# Altium PCB 28 pin project.PcbDoc (part 2 of 2)
Units mm, origin at the board's own origin, x right, y up, seen from the top; angles counter-clockwise.
Board outline 68.58 x 53.34 mm, 2 copper layers (L1, L2), stack 1.671 mm thick; 106 components, 71 nets, 323 pads, 100 vias.
Unrouted connection lines stored in the file: 1.
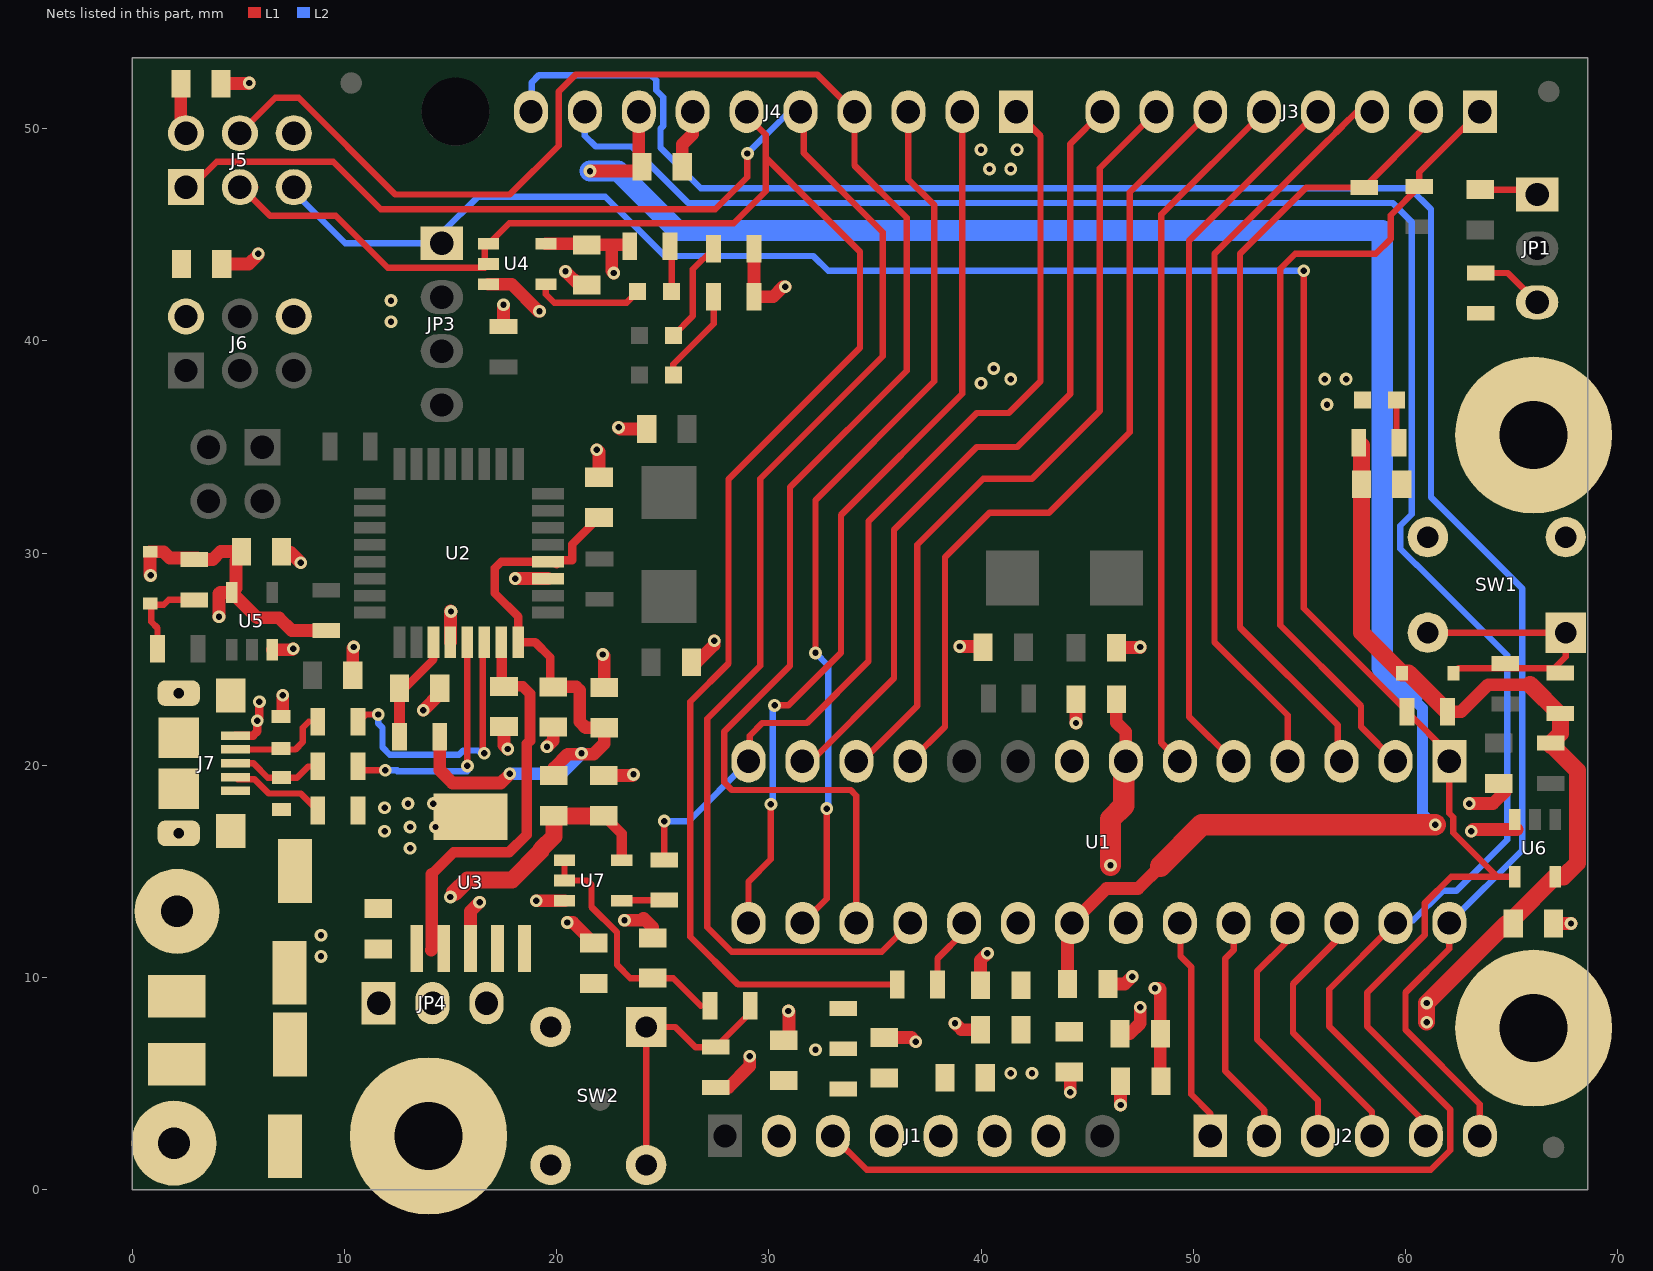
[diagram p2: the nets of this part, all layers, seen from the top]

## Via types
v1: diameter 0.6, hole 0.3, L1 to L2, 100 vias

## Nets (pads, with @x,y where several pads share a name; then routed paths per layer and width w, separated by ;. In a path a pad name is that pad's centre, name@x,y a point inside that pad or via, vN(x,y) a via of type N, cw(c..) or ccw(c..) an arc to the next point about the centre after c; other vN are vias at no path point) (continued)
328P_RESETn: J1.3 J5.5 JP3.1 R14.1 U1.1 U6.4 | length 133.1
  L1 w0.3: J1.3@33.02,2.54 34.61,0.95 61.196,0.95 62.11,1.864 62.11,3.79 58.2,7.7 58.2,9.3 60.915,12.015 60.915,13.515 62.15,14.75 64.331,14.75 ; v1(55.2,43.3) 55.2,27.4 R14.1@60.075,22.525 62.065,20.535 U1.1@62.065,20.193 62.065,17.737 62.25,17.552 62.25,16.831 64.331,14.75 ; U6.4@65.15,14.75 64.331,14.75
  L2 w0.3: J5.5@7.62,47.244 7.62,47.03 10.05,44.6 JP3.1@14.6,44.6 14.6,45.1 16.3,46.8 22.3,46.8 25.1,44 32.1,44 32.8,43.3 v1(55.2,43.3)
+3V3: C13.2 C16.2 J1.4 JP4.3 R28.2 U3.4 U3.5
+3V3_16U2_UCAP: C7.2 R26.1 U2.27 | length 5.1
  L1 w0.4: C7.2@12.6,23.391 14.2,24.991 U2.27@14.2,25.8
  L1 w0.5: R26.1@12.6,21.35 C7.2@12.6,23.391
+5V: C2.1 C6.2 C12.2 C14.2 J1.5 J8.1 JP4.1 L1.2 R27.1 U2.31 U3.1 U3.2 | length 22.6
  L1 w0.5: 14.1,11.3 14.1,14.85 14.125,14.875 15.15,15.9 17.761,15.9 18.6,16.739 18.6,21.014 18.75,21.164 18.75,23.375 18.4,23.725 17.425,23.725 U2.31@17.425,25.675
  L1 w0.6: 14.1,11.3 14.125,11.325 14.125,14.875 ; C6.2@17.425,23.725 C6.2@17.525,23.725
+5V/3V3: C8.2 C15.2 C17.2 C26.2 C28.2 C29.2 C30.2 C34.2 D5.1 D6.1 FB1.1 FB2.1 FB3.1 J1.2 J5.2 J6.2 JP4.2 R1.2 R2.2 R3.2 R4.2 R14.2 R15.2 R17.2 R18.2 R19.2 R20.2 R21.2 R27.2 R28.1 U4.5 U5.5 U6.5 U7.5 | length 81.9
  L1 w0.5: C29.2@22.225,17.625 23.075,16.775 U7.5@23.075,15.525
  L1 w0.6: v1(0.875,28.95) 0.85,28.975 D5.1@0.85,30.063 1.487,30.063 1.775,29.775 3.086,29.775 3.161,29.7 3.8,29.7 4.175,30.075 C30.2@5.15,30.075 ; J5.2@2.3,50.024 C17.2@2.3,52.125 ; v1(4.1,27) 4.1,28.1 4.15,28.15 U5.5@4.7,28.15 ; C30.2@5.2,30.025 5.275,30.025 4.9,29.65 4.9,28.35 U5.5@4.7,28.15 ; R4.2@9.15,26.35 7.525,26.35 6.925,26.95 5.9,26.95 U5.5@4.7,28.15 ; R1.2@17.5,40.675 v1@17.5,41.6 ; U4.5@19.5,44.575 C26.2@21.375,44.575 ; C26.2@21.425,44.525 22.6,44.525 ; v1(22.7,43.2) 22.6,43.3 22.6,44.525 ; R15.2@23.375,44.525 22.6,44.525 ; R21.2@27.5,4.825 28.1,4.825 29.1,5.825 v1(29.1,6.3) ; R2.2@29.3,44.35 R3.2@29.3,42.075 30.2,42.075 30.675,42.55 v1(30.775,42.55) ; FB3.1@44.15,5.55 44.2,5.5 v1(44.2,4.6) ; v1(46.575,4) FB2.1@46.575,5.125 ; R14.2@61.975,22.525 62.618,22.525 63.893,23.8 65.875,23.8
  L1 w0.8: v1@15.2,14 15.8,14.6 17.9,14.6 19.275,15.975 19.275,16.049 19.875,16.649 FB1.1@19.875,17.625 ; 20.625,17.625 C29.2@22.225,17.625 ; R17.2@57.925,35.075 C34.2@57.925,33.25 57.925,26.256 D6.1@59.831,24.35 60.15,24.35 R14.2@61.975,22.525 ; v1(61,7.9) v1(61,8.803) 64.747,12.55 65.05,12.55 C28.2@65.075,12.575 ; C28.2@65.075,12.55 C28.2@65.075,12.575 ; 65.875,23.8 67.3,22.375 67.3,21.5 R18.2@66.85,21.05 66.85,20.925 66.924,20.925 68.1,19.749 68.1,15.4 67.45,14.75 U6.5@67.05,14.75 65.075,12.775 C28.2@65.075,12.575
  other v1: 32.2,6.6 15,13.8 12.2,40.9 17.5,41.7 12.2,41.9
+5V/3V3_16U2: C3.2 C4.2 C5.2 FB1.2 R26.2 U2.4 U2.32 | length 30.6
  L1 w0.4: C4.2@19.7,23.85 19.7,25.1 19,25.8 U2.32@18.2,25.8 18.2,27 17.1,28.1 17.1,29.3 17.4,29.6 U2.4@19.6,29.6 19.875,29.6 20,29.475 20,29.675 20.75,29.675 20.75,30.425 C5.2@22,31.675
  L1 w0.6: R26.2@14.5,21.35 14.5,19.775 15.1,19.175 17.375,19.175 v1(17.8,19.6) ; C4.2@19.85,23.7 20.925,23.7 21.1,23.525 21.1,22.05 21.375,21.775 C3.2@22.25,21.775 22.25,21.025 21.75,20.525 20.525,20.525 19.875,19.875 FB1.2@19.875,19.525
  L2 w0.6: v1(17.8,19.6) 20.2,19.6 v1(21.175,20.575)
+5V/3V3_328P_AVCC: C22.2 C23.2 FB3.2 U1.20
+5V/3V3_328P_VCC: C19.2 C20.2 FB2.2 U1.7 | length 13.2
  L1 w0.6: C20.2@46.375,23.125 46.375,22.025 46.825,21.575 46.825,20.5 U1.7@46.825,20.193 ; v1(48.2,9.5) 48.4,9.5 48.45,9.45 C19.2@48.45,7.35 FB2.2@48.45,5.15
  L1 w1: v1(46.1,15.3) 46.1,17.475 46.725,18.1 46.725,20.4 U1.7@46.825,20.5
+5V_USB: C1.1 J7.1 L1.1 | length 2.5
  L1 w0.4: J7.1@4.875,21.4 5.7,21.4 5.9,21.6 v1(5.9,22.1) 6,22.2 v1(6,23)
  other v1: 8.9,11 8.9,12
+AREF: C21.2 C24.2 J4.8 U1.21 | length 94.6
  L1 w0.6: v1(21.575,48) 23.825,48 23.876,48.051 J4.8@23.876,50.8 ; C24.2@44.075,9.7 44.075,12.363 U1.21@44.285,12.573 45.912,14.2 47.4,14.2 48.45,15.25
  L1 w1: 48.45,15.25 50.4,17.2 v1(61.4,17.2)
  L2 w0.5: 60.3,23.2 60.8,22.7 60.8,17.725 61.325,17.2 v1(61.4,17.2)
  L2 w1: v1(21.575,48) 22.9,48 25.7,45.2 58.9,45.2 58.9,24.6 60.3,23.2
AD0: J2.1 U1.23 | length 10.6
  L1 w0.3: U1.23@49.365,12.573 49.4,12.538 49.4,11 49.9,10.5 49.9,4.5 50.8,3.6 J2.1@50.8,2.54
AD1: J2.2 U1.24 | length 11
  L1 w0.3: U1.24@51.905,12.573 51.905,11.305 51.5,10.9 51.5,5.6 53.34,3.76 J2.2@53.34,2.54
AD2: J2.3 U1.25 | length 11.8
  L1 w0.3: U1.25@54.445,12.573 54.445,11.745 53,10.3 53,7.1 55.88,4.22 J2.3@55.88,2.54
AD3: J2.4 U1.26 | length 12.5
  L1 w0.3: U1.26@56.985,12.573 56.985,11.985 54.7,9.7 54.7,7.4 58.42,3.68 J2.4@58.42,2.54
AD4/SDA: J2.5 J4.9 U1.27 | length 93.3
  L1 w0.3: U1.27@59.525,12.573 56.4,9.448 56.4,7.7 60.96,3.14 J2.5@60.96,2.54
  L2 w0.3: J4.9@21.336,50.8 21.336,49.664 21.842,49.158 23.542,49.158 26.2,46.5 59.4,46.5 60.3,45.6 60.3,31.838 59.75,31.288 59.75,30.212 60.512,29.45 60.537,29.45 64.8,25.187 64.8,16.5 62.4,14.1 61.766,14.1 60.366,12.7 U1.27@59.525,12.7
AD5/SCL: J2.6 J4.10 U1.28 | length 97.5
  L1 w0.3: U1.28@62.065,12.573 62.065,11.365 60,9.3 60,7.539 63.5,4.039 J2.6@63.5,2.54
  L2 w0.3: J4.10@18.796,50.8 18.825,50.829 18.825,52.175 19.175,52.525 24.45,52.525 24.7,52.275 24.7,51.802 25.026,51.476 25.026,50.124 24.9,49.998 24.9,49.1 26.8,47.2 60.2,47.2 61.2,46.2 61.2,32.633 65.5,28.333 65.5,16.008 U1.28@62.065,12.573
BUTTON_RESETn: D6.2 R20.1 R24.1 SW1.1 SW1.2 | length 12.9
  L1 w0.3: SW1.2@61.05,26.25 SW1.1@67.55,26.25 67.55,25.125 67,24.575 D6.2@62.494,24.575
CON_USB_N: J7.2 R6.1 Z1.2 | length 4.4
  L1 w0.3: J7.2@4.875,20.75 7.7,20.75 8.05,21.1 8.05,21.775 8.325,22.05
CON_USB_P: J7.3 R7.1 Z2.2 | length 4.4
  L1 w0.3: J7.3@4.875,20.1 5.725,20.1 6.399,19.425 Z2.2@7.05,19.425 7.775,19.425 8.3,19.95 R7.1@8.75,19.95
GND: C1.2 C2.2 C3.1 C4.1 C5.1 C6.1 C7.1 C8.1 C9.1 C10.1 C12.1 C13.1 C14.1 C15.1 C16.1 C17.1 C19.1 C20.1 C21.1 C22.1 C23.1 C24.1 C25.1 C26.1 C27.1 C28.1 C29.1 C30.1 C31.1 C32.2 C33.1 C34.1 D1.1 J1.6 J1.7 J4.7 J5.6 J6.6 J7.5 J7.6 J7.7 J7.8 J7.9 J7.10 J7.11 J9.1 MH1.1 MH2.1 MH3.1 R8.2 R12.1 SW1.3 SW1.4 SW2.3 SW2.4 U1.8 U1.22 U2.3 U2.28 U3.3 U3.6 U4.3 U5.3 U6.3 U7.3 Z1.1 Z2.1 | length 63.5
  L1 w0.6: C17.1@4.2,52.125 5.5,52.125 v1(5.525,52.15) ; C8.1@4.225,43.625 5.5,43.625 5.95,44.075 v1(5.95,44.1) ; U5.3@6.6,25.45 7.55,25.45 v1(7.6,25.5) ; C30.1@7.05,30.075 7.1,30.025 7.475,30.025 v1(7.95,29.55) ; Z1.1@7.1,22.375 v1(7.1,23.3) ; C31.1@10.4,24.25 10.4,25.525 v1(10.45,25.575) ; v1(13.725,22.6) 14.5,23.375 C7.1@14.5,23.625 ; U2.28@15,25.8 15,27.275 v1(15.025,27.25) ; U3.3@15.95,11.375 15.95,13.125 v1(16.375,13.55) ; U4.3@16.8,42.675 17.875,42.675 19.15,41.4 v1(19.2,41.4) ; C6.1@17.525,21.825 17.525,20.95 v1(17.7,20.775) ; v1(18.05,28.8) U2.3@19.6,28.8 ; v1(19.05,13.625) U7.3@20.375,13.625 ; v1(19.55,20.875) 19.85,21.175 C4.1@19.85,21.8 ; v1(20.425,43.275) 21.075,42.625 C26.1@21.425,42.625 ; v1(20.5,12.6) 20.775,12.6 C13.1@21.75,11.625 ; v1(21.9,34.875) 22,34.775 C5.1@22,33.575 ; v1(22.175,25.225) 22.25,25.15 C3.1@22.25,23.675 ; C29.1@22.225,19.525 23.575,19.525 v1(23.625,19.575) ; v1(22.925,35.925) 23,35.85 C9.1@24.25,35.85 ; v1(23.2,12.7) 24,12.7 24.1,12.8 24.525,12.375 C33.1@24.525,11.875 ; C21.1@25.925,48.2 25.925,49.25 26.416,49.741 J4.7@26.416,50.8 ; C10.1@26.35,24.85 26.6,24.85 27.425,25.675 v1(27.425,25.875) ; v1(30.925,8.425) 30.95,8.4 C15.1@30.95,7.075 ; C16.1@35.45,7.175 36.725,7.175 v1(36.925,6.975) ; v1(38.775,7.85) 39.075,7.55 C22.1@39.975,7.55 ; v1(39,25.6) C25.1@40.15,25.6 ; C23.1@39.975,9.65 39.975,10.825 v1(40.3,11.15) ; v1(44.475,22) C20.1@44.475,23.125 ; C24.1@45.975,9.7 46.775,9.7 v1(47.125,10.05) ; C27.1@46.375,25.55 47.5,25.55 v1(47.5,25.575) ; C19.1@46.55,7.35 47,7.35 47.5,7.85 v1(47.5,8.6) ; v1(63,18.2) 64.125,18.2 C32.2@64.725,18.8 ; v1(63.1,16.9) 63.175,16.975 U6.3@65.25,16.975 ; C28.1@66.975,12.55 v1(67.8,12.55)
  L1 w1.016: MH1.1@15.57,2.54 ccw(c13.97,2.54) MH1.1@15.57,2.54
  other v1: 41.4,5.5 42.4,5.5 13.1,16.1 11.9,16.9 13.1,17.1 14.3,17.1 11.9,18 13,18.2 14.2,18.2 56.3,37 40,38 41.4,38.2 56.2,38.2 57.2,38.2 40.6,38.7 40.4,48.1 41.4,48.1 40,49 41.7,49
IO0: J3.1 R10.2 U1.2 | length 39
  L1 w0.3: U1.2@59.525,20.193 57.9,21.818 57.9,22.8 54.1,26.6 54.1,43.4 54.8,44.1 58.6,44.1 59.3,44.8 59.3,45.925 R10.2@60.65,47.275 60.65,47.95 J3.1@63.5,50.8
IO1: J3.2 R11.2 U1.3 | length 37.8
  L1 w0.3: U1.3@56.985,20.193 56.8,20.378 56.8,21.9 52.2,26.5 52.2,44.1 55.325,47.225 R11.2@58.05,47.225 60.96,50.135 J3.2@60.96,50.8
IO2: J3.3 U1.4 | length 35.5
  L1 w0.3: U1.4@54.445,20.193 54.445,22.355 51,25.8 51,44.1 56.35,49.45 56.356,49.45 57.03,50.124 57.03,50.13 57.7,50.8 J3.3@58.42,50.8
IO3: J3.4 U1.5 | length 34
  L1 w0.3: U1.5@51.905,20.193 49.8,22.298 49.8,44.72 J3.4@55.88,50.8
IO4: J3.5 U1.6 | length 33
  L1 w0.3: U1.6@49.365,20.193 48.5,21.058 48.5,45.96 J3.5@53.34,50.8
IO5: J3.6 U1.11 | length 38.1
  L1 w0.3: U1.11@36.665,20.193 38.3,21.828 38.3,29.8 40.4,31.9 43.2,31.9 47,35.7 47,47 J3.6@50.8,50.8
IO6: J3.7 U1.12 | length 38
  L1 w0.3: U1.12@34.125,20.193 34.393,20.193 37,22.8 37,30.4 40.1,33.5 42.4,33.5 45.6,36.7 45.6,48.14 J3.7@48.26,50.8
IO7: J3.8 U1.13 | length 37.8
  L1 w0.3: U1.13@31.585,20.193 31.993,20.193 35.9,24.1 35.9,31.1 39.8,35 41.7,35 44.2,37.5 44.2,49.28 J3.8@45.72,50.8
IO8: J4.1 R22.2 U1.14 | length 45.8
  L1 w0.3: R22.2@25.075,15.55 v1(25.075,17.375) ; U1.14@29.045,20.193 29.1,20.248 29.1,21.4 29.7,22 31.8,22 34.7,24.9 34.7,31.5 39.8,36.6 41.3,36.6 42.8,38.1 42.8,49.656 J4.1@41.656,50.8
  L2 w0.3: v1(25.075,17.375) 26.227,17.375 U1.14@29.045,20.193
IO9: J4.2 U1.15 | length 42.8
  L1 w0.3: U1.15@29.045,12.573 29.045,14.52 30.1,15.575 v1(30.1,18.175) ; v1(30.275,22.825) 30.925,22.825 33.4,25.3 33.4,31.8 39.116,37.516 J4.2@39.116,50.8
  L2 w0.3: v1(30.1,18.175) 30.195,18.27 30.195,22.745 v1(30.275,22.825)
MISO: J4.5 J5.1 U1.18 | length 87.1
  L1 w0.3: J5.1@2.54,47.244 2.794,47.244 3.994,48.444 9.481,48.444 11.725,46.2 27.485,46.2 28.993,47.707 v1(28.993,48.828) ; J4.5@31.496,50.8 31.65,50.8 31.65,48.85 35.375,45.125 35.375,39.275 29.6,33.5 29.6,24.7 27.1,22.2 27.1,12.375 28.252,11.223 35.315,11.223 U1.18@36.665,12.573
  L2 w0.3: v1(28.993,48.828) 30.964,50.8 J4.5@31.496,50.8
MOSI: J4.4 J5.4 U1.17 | length 84.8
  L1 w0.3: J5.4@5.08,49.784 6.746,51.45 7.85,51.45 12.4,46.9 17.8,46.9 20.1,49.2 20.1,51.75 20.9,52.55 32.286,52.55 J4.4@34.036,50.8 34.036,48.264 36.5,45.8 36.5,38.6 31,33.1 31,24.7 27.895,21.595 27.895,19.205 28.257,18.843 33.857,18.843 34.125,18.575 U1.17@34.125,12.573
NetC11_2: C11.2 JP1.1 | length 2.4
  L1 w0.3: C11.2@63.525,47.125 JP1.1@65.975,47.125
NetD1_2: D1.2 R17.1 | length 1.9
  L1 w0.3: R17.1@59.575,35.325 D1.2@59.575,37.225
NetD2_1: D2.1 U4.4 | length 5.2
  L1 w0.3: U4.4@19.5,42.675 19.5,42.2 19.9,41.8 23.3,41.8 D2.1@23.825,42.325
NetD2_2: D2.2 R15.1 | length 2
  L1 w0.3: D2.2@25.425,42.325 R15.1@25.425,44.375
NetD3_2: D3.2 R2.1 | length 4.9
  L1 w0.3: D3.2@25.5,40.25 26.425,41.175 26.425,43.375 R2.1@27.4,44.35
NetD4_2: D4.2 R3.1 | length 4.5
  L1 w0.3: D4.2@25.5,38.4 25.5,38.9 27.4,40.8 R3.1@27.4,42.075
NetD5_2: D5.2 R19.1 R23.1 | length 4.3
  L1 w0.3: R23.1@1.2,25.5 1.2,26.475 0.9,26.775 0.9,27.575 1.5,27.575 1.725,27.8 R19.1@2.925,27.8
NetJ7_4: J7.4 R8.1 | length 4.5
  L1 w0.3: J7.4@4.875,19.45 4.975,19.35 5.767,19.35 6.442,18.675 7.95,18.675 R8.1@8.75,17.875
NetJP1_3: JP1.3 R12.2 | length 3.2
  L1 w0.3: R12.2@63.55,43.2 64.82,43.2 JP1.3@66.2,41.82
NetR22_1: R22.1 U7.4 | length 2
  L1 w0.3: U7.4@23.1,13.65 R22.1@25.075,13.65
SCK: J4.6 J5.3 R13.2 U4.1 U4.2 | length 85.5
  L1 w0.3: J5.3@5.08,47.244 J5.3@5.156,47.244 ; J5.3@5.8,47.244 J5.3@5.156,47.244 ; J4.6@28.956,50.6 29.85,49.706 29.85,48.644 ; R13.2@36.05,9.675 28.55,9.675 26.3,11.925 26.3,23 28.1,24.8 28.1,33.481 34.3,39.681 34.3,44.194 29.85,48.644 ; J5.3@5.156,47.244 6.5,45.9 9.6,45.9 12.05,43.45 16.625,43.45 16.625,44.4 U4.1@16.8,44.575 17.775,45.55 28.35,45.55 29.85,47.05 29.85,48.644
SCK_R: R13.1 U1.19 | length 3.4
  L1 w0.3: R13.1@37.95,9.675 37.95,10.9 39.205,12.155 U1.19@39.205,12.573
SS: J4.3 U1.16 | length 41.8
  L1 w0.3: U1.16@31.585,12.573 32.735,13.723 v1(32.735,17.965) ; v1(32.2,25.3) 32.2,32.5 37.8,38.1 37.8,46.4 36.576,47.624 J4.3@36.576,50.8
  L2 w0.3: v1(32.2,25.3) 32.8,24.7 32.8,18.03 v1(32.735,17.965)
USB_N: R6.2 U2.30 | length 13.1
  L1 w0.3: R6.2@10.65,22.05 11,22.4 v1(11.6,22.4) ; v1(16.6,20.575) 16.525,20.65 16.525,25.725 U2.30@16.6,25.8
  L2 w0.3: v1(11.6,22.4) 11.6,21.975 11.8,21.775 11.8,20.85 12.15,20.5 15.406,20.5 15.606,20.7 16.325,20.7 v1@16.525,20.5
USB_P: R7.2 U2.29 | length 11
  L1 w0.3: R7.2@10.65,19.95 10.825,19.775 v1(11.925,19.775) ; v1(15.8,19.975) U2.29@15.8,25.8
  L2 w0.3: v1(11.925,19.775) 12.5,19.775 ; 12.5,19.725 v1@15.8,19.725
USER_BUTTON: R21.1 R25.1 SW2.1 SW2.2 | length 12.5
  L1 w0.3: SW2.2@24.225,1.175 SW2.1@24.225,7.675 25.6,7.675 26.55,6.725 R21.1@27.5,6.725 R25.1@29.125,8.35
USER_BUTTON_BUF: C33.2 R25.2 U7.1 U7.2 | length 11.3
  L1 w0.3: U7.1@20.375,15.525 U7.2@20.375,14.575 21.45,14.575 21.65,14.375 21.65,13.331 22.85,12.131 22.85,10.6 23.475,9.975 C33.2@24.525,9.975 25.5,9.975 26.8,8.675
pads on no net: FID1.1 FID2.1 FID3.1 FID4.1 J1.1 J1.8 MH4.1 U2.5 U2.6 U2.7 U2.12 U2.14 U2.22 U2.23 U2.25 U2.26

## Polygon pours and split planes (outlines as drawn)
+3V3 on L2 "+3V3_L02_P007" (solid, remove dead copper, pour order 7): 15.6,7.6 17.9,7.6 21.6,3.9 34.5,3.9 34.5,1.4 36.6,1.4 36.6,4.6 35.9,5.3 25.706,5.3 20.4,10.3 18.4,10.3 16.1,10.3 15.6,9.8
+5V on L2 "+5V_L02_P006" (solid, remove dead copper, pour order 6): 0.3,0.3 0.3,4.4 4.856,4.4 10.856,9.8 12.4,9.8 12.4,7.3 13,7.3 17.7,7.3 21.4,3.6 26,3.6 26,1.2 36.9,1.2 36.9,3.8 39.3,3.8 39.3,0.3
GND on L2 "GND_L02_P013" (solid, remove dead copper, pour order 13): 0.3,52 4.2,52 5.4,50.8 5.4,23.8 6.3,23.8 6.8,23.3 6.8,21.9 8,20.7 8,17.9 10,15.9 10,12.2 12.6,15.1 15.2,15.1 15.8,14.5 15.8,12.4 16,12.2 26.5,12.2 30.6,8.1 35.6,8.1 35.6,8 38.6,5 42.5,5 44.5,7 57.4,7 57.5,7.1 57.8,7.1 60.5,9.8 62.3,9.8 62.3,0.3 68.3,0.3 68.3,13.6 64.7,13.6 62.3,11.2 59.1,11.2 58.3,12 58.3,13.9 61.1,13.9 64,16.8 64,21.9 57.8,21.9 57.8,39 23.6,39 20.9,41.7 20.9,43.7 20.3,43.7 18.5,41.9 18.5,38.3 11.5,38.3 11.1,38.7 11.1,53 0.3,53
GND on L2 "GND_L02_P012" (solid, remove dead copper, pour order 12): 68.2,53 68.2,47.7 27.3,47.7 25.5,49.5 25.5,53
+5V/3V3_328P_VCC on L2 "+5V/3V3_328P_VCC_L02_P004" (solid, remove dead copper, pour order 4): 45.8,15.7 45.8,14.9 47.4,14.9 47.9,14.4 47.8,14.3 47.8,9.2 50.9,9.2 50.9,15.3 50.5,15.7
+5V/3V3 on L2 "+5V/3V3_L02_P010" (solid, remove dead copper, pour order 10): 0.3,4.7 4.7,4.7 10.6,10.1 12.7,10.1 12.7,7.6 15.3,7.6 15.3,10 15.9,10.6 20.7,10.6 22.4,8.9 25.5,8.9 25.5,6.1 26,5.6 36.1,5.6 36.9,4.8 36.9,4.1 39.7,4.1 39.7,0.3 62,0.3 62,9.5 60.6,9.5 57.8,6.7 44.8,6.7 42.8,4.7 38.5,4.7 35.4,7.8 30.5,7.8 26.3,12 15.9,12 15.6,12.3 15.6,14.3 15.2,14.7 12.6,14.6 8.8,10.3 8.3,10.3 8.3,11.5 8,11.8 8,14.6 6.2,16.4 6.2,19.6 5.1,20.7 5.1,50.7 4.1,51.7 0.3,51.7
+5V/3V3 on L2 "+5V/3V3_L02_P011" (solid, remove dead copper, pour order 11): 15.9,45.6 15.9,43.4 11.8,43.4 11.4,43 11.4,38.7 11.6,38.5 18.2,38.5 18.2,42 20.1,43.9 21.2,43.9 21.2,41.8 31.7,41.8 31.7,43.4 24.7,43.4 23.35,44.75 22,46.1 16.4,46.1
+5V_USB on L2 "+5V_USB_L02_P008" (solid, remove dead copper, pour order 8): 5.4,23.6 5.4,20.8 6.5,19.7 6.5,16.5 8.3,14.7 8.3,12 8.3,10.6 9.4,10.6 9.4,16.1 7.7,17.8 7.7,20.6 6.5,21.8 6.5,23.6
GND on L1 "GND_L01_P056" (solid, remove dead copper, pour order 56): 0.3,10.5 4.8,10.5 6.4,12.1 7.9,12.1 8.5,12.7 9.5,12.7 9.5,10.2 8.6,9.3 8.6,8.3 6.6,8.3 6.6,5.4 8.2,5.4 9.7,3.9 9.7,0.3 21.1,0.3 21.1,2.3 19.9,3.5 19.9,5.5 21.1,6.7 21.1,8.7 18.7,8.7 18.7,7.4 10.5,7.4 10.5,12.2 11.7,12.2 13.2,13.7 13.2,15.5 14.2,16.5 17.7,16.5 17.7,18.7 10.4,18.7 10.2,18.5 10.2,17.1 9.9,16.8 7.8,16.8 7.8,18 7.6,18.2 6,18.2 5.5,18.7 5.5,19 3.9,19 3.6,19.3 3.6,22.2 3.9,22.5 5.3,22.5 5.3,24.1 0.3,24.1
GND on L1 "GND_L01_P054" (solid, remove dead copper, pour order 54): 39.6,37.7 41.5,37.7 42.3,38.5 42.3,49.4 39.6,49.4
GND on L1 "GND_L01_P052" (solid, remove dead copper, pour order 52): 62.9,41.8 62.9,40.8 59.5,40.8 57.5,38.8 55.7,38.8 55.7,36.4 58.6,36.4 58.8,36.6 58.8,37.8 58.9,37.9 60.4,37.9 60.4,34.1 59.3,34.1 59.2,34 59.2,29.5 68.3,29.5 68.3,40.1 67.6,40.8 64.3,40.8 64.3,41.8
+5V/3V3_328P_AVCC on L1 "+5V/3V3_328P_AVCC_L01_P050" (solid, remove dead copper, pour order 50): 40.7,13.55 40.7,11.7 41.4,11 41.4,6.9 42.3,6.9 42.3,7 44.8,7 44.8,7.9 43.5,7.9 42.9,8.5 42.9,13.7 40.7,13.7
GND on L1 "GND_L01_P048" (solid, remove dead copper, pour order 48): 39.7,5.9 39.7,1.3 44,1.3 44.1,1.4 44.1,3.7 42.8,5 42.8,5.9
+5V on L1 "+5V_L01_P046" (solid, remove dead copper, pour order 46): 32.8,8.9 35.2,8.9 35.4,8.7 38,8.7 38,7.8 38.9,6.9 38.9,1.3 37.2,1.3 37.2,3.7 37.4,3.9 37.4,6.4 37.6,6.6 37.6,7.1 36.7,8 34.7,8 34.5,8.2 32.8,8.2
+3V3 on L1 "+3V3_L01_P044" (solid, remove dead copper, pour order 44): 32.8,5.2 34.8,5.2 34.8,5.8 36.1,5.8 36.5,5.4 36.5,1.4 35.1,1.4 34.7,1.8 34.7,3.4 33.8,4.3 32.8,4.3
+5V/3V3 on L1 "+5V/3V3_L01_P042" (solid, remove dead copper, pour order 42): 29.5,1.3 31.5,1.3 31.5,3.9 32.1,4.5 32.5,4.5 32.5,5.9 32.6,6 34.2,6 34.4,6.2 34.4,7.2 34,7.6 31.7,7.6 31.7,6 31.4,5.7 30,5.7 29.5,5.2
+5V/3V3 on L1 "+5V/3V3_L01_P040" (solid, remove dead copper, pour order 40): 1.4,40.2 3.6,40.2 3.6,42.2 3.7,42.3 8.6,42.3 8.9,42 8.9,40.6 9.1,40.4 12.9,40.4 12.9,41.8 9.3,45.4 1.6,45.4 1.4,45.2
+5V on L1 "+5V_L01_P036" (solid, remove dead copper, pour order 36): 10.8,7.8 12.4,7.8 12.4,9.6 13.1,10.3 15,10.3 15,12.5 12.7,12.5 12,11.8 10.8,11.8
+3V3 on L1 "+3V3_L01_P034" (solid, remove dead copper, pour order 34): 15.7,7.7 18.1,7.7 18.1,9.1 22.4,9.1 22.4,10.2 19.5,10.2 19.5,12.5 16.9,12.5 16.9,10 15.7,10
+5V_USB on L1 "+5V_USB_L01_P032" (solid, remove dead copper, pour order 32): 0.3,8.1 5.8,8.1 6.4,8.7 8.2,8.7 8.2,9.4 8.3,9.4 9.3,10.4 9.3,12.4 8.7,12.4 8,11.7 6.6,11.7 5.1,10.2 0.3,10.2
+5V on L1 "+5V_L01_P028" (solid, remove dead copper, pour order 28): 0.3,0.3 8,0.3 8,3.6 4,3.6 4,6.8 0.3,6.8

## Other copper
L2:
  pour cut-out: 7.3,34.125 7.26,32.15 7.175,32.15 7.05,32.275 7.05,32.95 6.625,33.375 5.35,33.375 5.2,33.525 5.225,33.55 5.225,33.95 7,33.95 7.09,34.04 7.2,34.085
  pour cut-out: 28.925,52.1 31.3,52.1 30.6,51.4 30.6,50.9 30.25,50.55 30.05,50.55 29.85,50.75 29.85,51.275 29.016,52.11 28.956,52.109

## Silkscreen, mask and mechanical layers (free items; w line width, h text height)
Top Overlay:
  text "ICSP" at 6.025,51.525 h1
  text "ICSP1" at 6,42.8 h1
  text "T" at 26.6,39.7 h1
  text "A B A MISHU" at 32.6,39.2 h1.8
  text "R" at 26.6,37.9 h1
  text "abamishu46@gmail.com" at 32.2,36.6 h1
  text "3" at 1.1,34.6 h1
  text "https://www.fiverr.com/albaratalimishu?up_rollout=true" at 29.1,34.5 h0.5
  text "RESET" at 62.225,30.2 h0.89
  text "11" at 37,22 h1 r90
  text "3" at 57.3,22 h1 r90
  text "16" at 32.1,9.2 h1 r90
  text "25" at 54.9,9.1 h1 r90
  text "USER" at 18.675,3.825 h0.89 r90
Bottom Overlay:
  text "GND" at 26.9,49.3 h1 r90
  text "13" at 29.5,49.3 h1 r90
  text "AD4/SDA" at 21.8,49.2 h1 r90
  text "+AREF" at 24.4,49.2 h1 r90
  text "8" at 42.2,49.2 h1 r90
  text "4" at 53.8,49.2 h1 r90
  text "3" at 56.2,49.2 h1 r90
  text "2" at 58.8,49.2 h1 r90
  text "1" at 61.4,49.2 h1 r90
  text "0" at 63.9,49.2 h1 r90
  text "12" at 32.1,49.1 h1 r90
  text "11" at 34.4,49.1 h1 r90
  text "10" at 36.9,49.1 h1 r90
  text "7" at 45.8,49.1 h1 r90
  text "6" at 48.6,49.1 h1 r90
  text "5" at 51.1,49.1 h1 r90
  text "AD5/SCL" at 19.3,49 h1 r90
  text "9" at 39.5,49 h1 r90
  text "abamishu46@gmail.com" at 41,40.95 h1 r90
  text "A B A MISHU" at 37.6,39.3 h1.5 r90
  text "https://www.fiverr.com/albaratalimishu?up_rollout=true" at 43.325,38.725 h0.25 r90
  text "+5V INPUT POWER" at 6.3,15 h1 r90
  text "-" at 2.8,10.6 h1.5 r90
  text "3.3/5V" at 31.2,9.8 h1 r90
  text "RESET" at 33.5,9.1 h1 r90
  text "+3.3V" at 36.1,8.6 h1 r90
  text "GND" at 41.2,6.9 h1 r90
  text "GND" at 43.8,6.9 h1 r90
  text "+5V" at 38.7,6.8 h1 r90
  text "A0" at 51.5,6.1 h1 r90
  text "A3" at 58.8,6 h1 r90
  text "A4" at 61.3,6 h1 r90
  text "A1" at 53.7,5.9 h1 r90
  text "A2" at 56.5,5.9 h1 r90
  text "NO" at 28.5,5.8 h1 r90
  text "NO" at 46.2,5.8 h1 r90
  text "+" at 2.9,5.7 h1.5 r90
  text "A5" at 66.3,3.2 h1 r90
Mechanical Drawing:
  circle w1.016: c13.97,2.54 r1.6
  circle w1.016: c66.04,35.56 r1.6
  circle w1.016: c66.04,7.62 r1.6
  circle w1.016: c15.24,50.8 r1.6
  lines w1.016: 0,0 0,53.34 68.58,53.34 68.58,0 0,0 ; 0,0.1 68.58,0.1 68.58,53.44 0,53.44 0,0.1
  text "Mechanical Drawing" at 5,67.5 h3.5
  text "of 28 pins" at 7.5,60 h3.5
  text "'.VersionRevision'" at 45,60 h3.5
  text "Units: mils" at -37.5,-15 h2.03
  text "Scale: 1:1" at -37.5,-20 h2.03
Manufacturing Notes:
  lines w0.254: -0.5,-54.9 92,-54.9 ; -0.5,-54.825 -0.5,-44.825 ; -0.5,-34.9 92,-34.9 ; 39.5,-44.9 39.5,-34.9 ; 74.5,-34.9 74.5,-27.4 ; 92,-54.825 92,-44.825 ; -0.5,-44.9 -0.5,-27.4 92,-27.4 92,-44.9 -0.5,-44.9
  text "Files" at 0,107.6 h1.52
  text "Board info" at 107.5,107.6 h1.52
  text "*.GTO - Top Overlay" at 0,105.1 h1.52
  text "Minimum Track: 200um" at 107.5,105.1 h1.52
  text "*.GTP - Top Paste" at 0,102.6 h1.52
  text "Minimum Gap: 200um" at 107.5,102.6 h1.52
  text "*.GTS - Top Solder" at 0,100.1 h1.52
  text "Minimum Through Hole VIA: 0.6mm (pad) / 0.3mm (drill). Drilling: L1-L2" at 107.5,100.1 h1.52
  text "*.GTL - L1 (Positive)" at 0,97.6 h1.52
  text "*.GBL - L2 (Positive)" at 0,95.1 h1.52
  text "1. FINISHED PANEL THICKNESS IS NOT CRITICAL: TO BE APPROXIMATELY 1.6mm" at 107.5,95.1 h1.52
  text "*.GBS - Bottom Solder" at 0,92.6 h1.52
  text "*.GBO - Bottom Overlay" at 0,90.1 h1.52
  text "2. BOARD FINISH: IMMERSION Au/ELECTROLESS Ni; 0.05-0.12 um GOLD; 3-6um NICKEL" at 107.5,90.1 h1.52
  text "*.GM2 - Mechanical Drawing" at 0,87.6 h1.52
  text "*.GM3 - Manufacturing Notes" at 0,85.1 h1.52
  text "3. SOLDER RESIST: APPLY TO BOTH SIDES COLOUR - BLUE" at 107.5,85.1 h1.52
  text "*.GM4 - Licence" at 0,82.6 h1.52
  text "*.GM28 - Board Outline" at 0,80.1 h1.52
  text "4. COMPONENT IDENT: COLOUR TO BE WHITE" at 107.5,80.1 h1.52
  text "5. PANELIZE THE BOARD (4PCS PER PANEL). PLACE FIDUCIALS ON THE PANEL STRIPS AS FOLLOWS:" at 107.5,75.1 h1.52
  text "- FIDUCIAL DIAMTER 1-1.5MM, SOLDER MASK OPENING AT LEAST 1MM GREATER THAN FIDUCIAL" at 112.5,72.6 h1.52
  text "- MINIMUM 4MM DISTANCE FROM THE PANEL EDGE" at 112.5,70.1 h1.52
  text "- 3 FIDUCIALS SHOULD LIE ON TWO LINES THAT INTERSECT AT A RIGHT ANGLE" at 112.5,67.6 h1.52
  text "- PLACE ONE FIDUCIAL INTO EACH PANEL CORNER (FOUR ON THE TOP LAYER)" at 112.5,65.1 h1.52
  text "28Pins" at 5,-32.4 h3
  text ".VersionRevision" at 77,-32.4 h3
  text "Copyright 2021" at 4.5,-39.9 h1.52
  text "Designed by A B A MISHU" at 44.5,-39.9 h1.52
  text "A B A MISHU" at 4.5,-42.4 h1.52
  text "Contact:" at 4.5,-49.9 h1.52
  text "abamishu46@gmail.com" at 19.5,-49.9 h1.52
licence:
  text "LICENCE" at 107.6,50.4 h1.52
  text "AUTHOR: FEDEVEL 2015" at 107.8,45.9 h1.52
  text "WEBSITE: http://www.28pins.com" at 107.8,43.4 h1.52
  text "This is a human-readable summary of the licence. Read full licence at:" at 107.8,38.4 h1.52
  text "https://creativecommons.org/licenses/by-sa/3.0/legalcode" at 107.8,35.9 h1.52
  text "You are free to:" at 107.8,30.9 h1.52
  text "Share - copy and redistribute the material in any medium or format" at 107.8,28.4 h1.52
  text "Adapt - remix, transform, and build upon the material" at 107.8,25.9 h1.52
  text "for any purpose, even commercially." at 107.8,23.4 h1.52
  text "The licensor cannot revoke these freedoms as long as you follow the license terms." at 107.8,18.4 h1.52
  text "Under the following terms:" at 107.8,13.4 h1.52
  text "Attribution - You must give appropriate credit, provide a link to the license, and" at 107.8,10.9 h1.52
  text "indicate if changes were made. You may do so in any reasonable manner, but not in any" at 107.8,8.4 h1.52
  text "way that suggests the licensor endorses you or your use." at 107.8,5.9 h1.52
  text "ShareAlike - If you remix, transform, or build upon the material, you must distribute your" at 107.854,1.022 h1.52
  text "contributions under the same license as the original." at 107.854,-1.478 h1.52
  text "No additional restrictions - You may not apply legal terms or technological measures" at 107.6,-7.2 h1.52
  text "that legally restrict others from doing anything the license permits." at 107.6,-9.7 h1.52
  text "Notices:" at 107.6,-14.7 h1.52
  text "You do not have to comply with the license for elements of the material in the public domain or where" at 107.6,-17.2 h1.52
  text "your use is permitted by an applicable exception or limitation." at 107.6,-19.7 h1.52
  text "No warranties are given. The license may not give you all of the permissions necessary for your" at 107.6,-24.7 h1.52
  text "intended use. For example, other rights such as publicity, privacy, or moral rights may limit how you" at 107.6,-27.2 h1.52
  text "use the material." at 107.6,-29.7 h1.52
  text "Based on Arduino: http://www.arduino.cc/" at 107.6,-34.7 h1.52
Board outline:
  lines w0.3: 0,0 0,53.34 ; 0,0 68.58,0 ; 0,0 0,53.34 ; 0,0 68.58,0 ; 0,53.34 68.58,53.34 ; 0,53.34 68.58,53.34 ; 68.58,0 68.58,53.34 ; 68.58,0 68.58,53.34 ; 0,-0.1 68.58,-0.1 68.58,53.24 0,53.24 0,-0.1 ; 0,0.1 68.58,0.1 68.58,53.44 0,53.44 0,0.1
ASM TOP:
  text "Assembly TOP of 28pins" at 18.7,59.4 h1.6
  text "'.VersionRevision'" at 55.5,59.3 h1.6
  text "'.VariantName'" at 28.5,55.3 h1.6

## Dimensions
0,0 to 66.04,7.62 on Mechanical Drawing
0,0 to 1.975,2.2 on Mechanical Drawing
0,0 to 2.54,47.244 on Mechanical Drawing
0,0 to 13.97,2.54 on Mechanical Drawing
0,0 to 15.24,50.8 on Mechanical Drawing
0,0 to 27.94,2.54 on Mechanical Drawing
0,0 to 41.656,50.8 on Mechanical Drawing
0,0 to 50.8,2.54 on Mechanical Drawing
0,0 to 63.5,50.8 on Mechanical Drawing
0,0 to 66.04,35.56 on Mechanical Drawing
0,0 to 13.97,2.54 on Mechanical Drawing
0,0 to 2.125,13.125 on Mechanical Drawing
0,0 to 2.2,23.4 on Mechanical Drawing
0,0 to 66.04,35.56 on Mechanical Drawing
0,0 to 2.54,38.608 on Mechanical Drawing
0,0 to 2.54,47.244 on Mechanical Drawing
15.24,50.8 to 0,0 on Mechanical Drawing
0,0.1 to 68.58,0.1 on Mechanical Drawing
0,0.1 to 0,53.44 on Mechanical Drawing

## Text inside footprints (layer, text, board x,y; h text height)
J1: Top Overlay "1" at 28.321,0.33 h1 r90
J2: Top Overlay "1" at 51.181,0.33 h1 r90
J3: Top Overlay "1" at 63.8,52.7 h1 r90
J4: Top Overlay "1" at 42.4,52.6 h1 r90
J5: Top Overlay "1" at 0.4,46.5 h1
J6: Top Overlay "1" at 7.775,34.675 h1
JP1: Top Overlay "1" at 67.825,47 h1
JP2: Top Overlay "1" at 0.215,37.095 h1
JP3: Top Overlay "1" at 12.39,44.219 h1
JP4: Top Overlay "1" at 9.7,8.1 h1